# EAGLE board working (EAGLE 9.6.2), part 22 of 28 (continued)
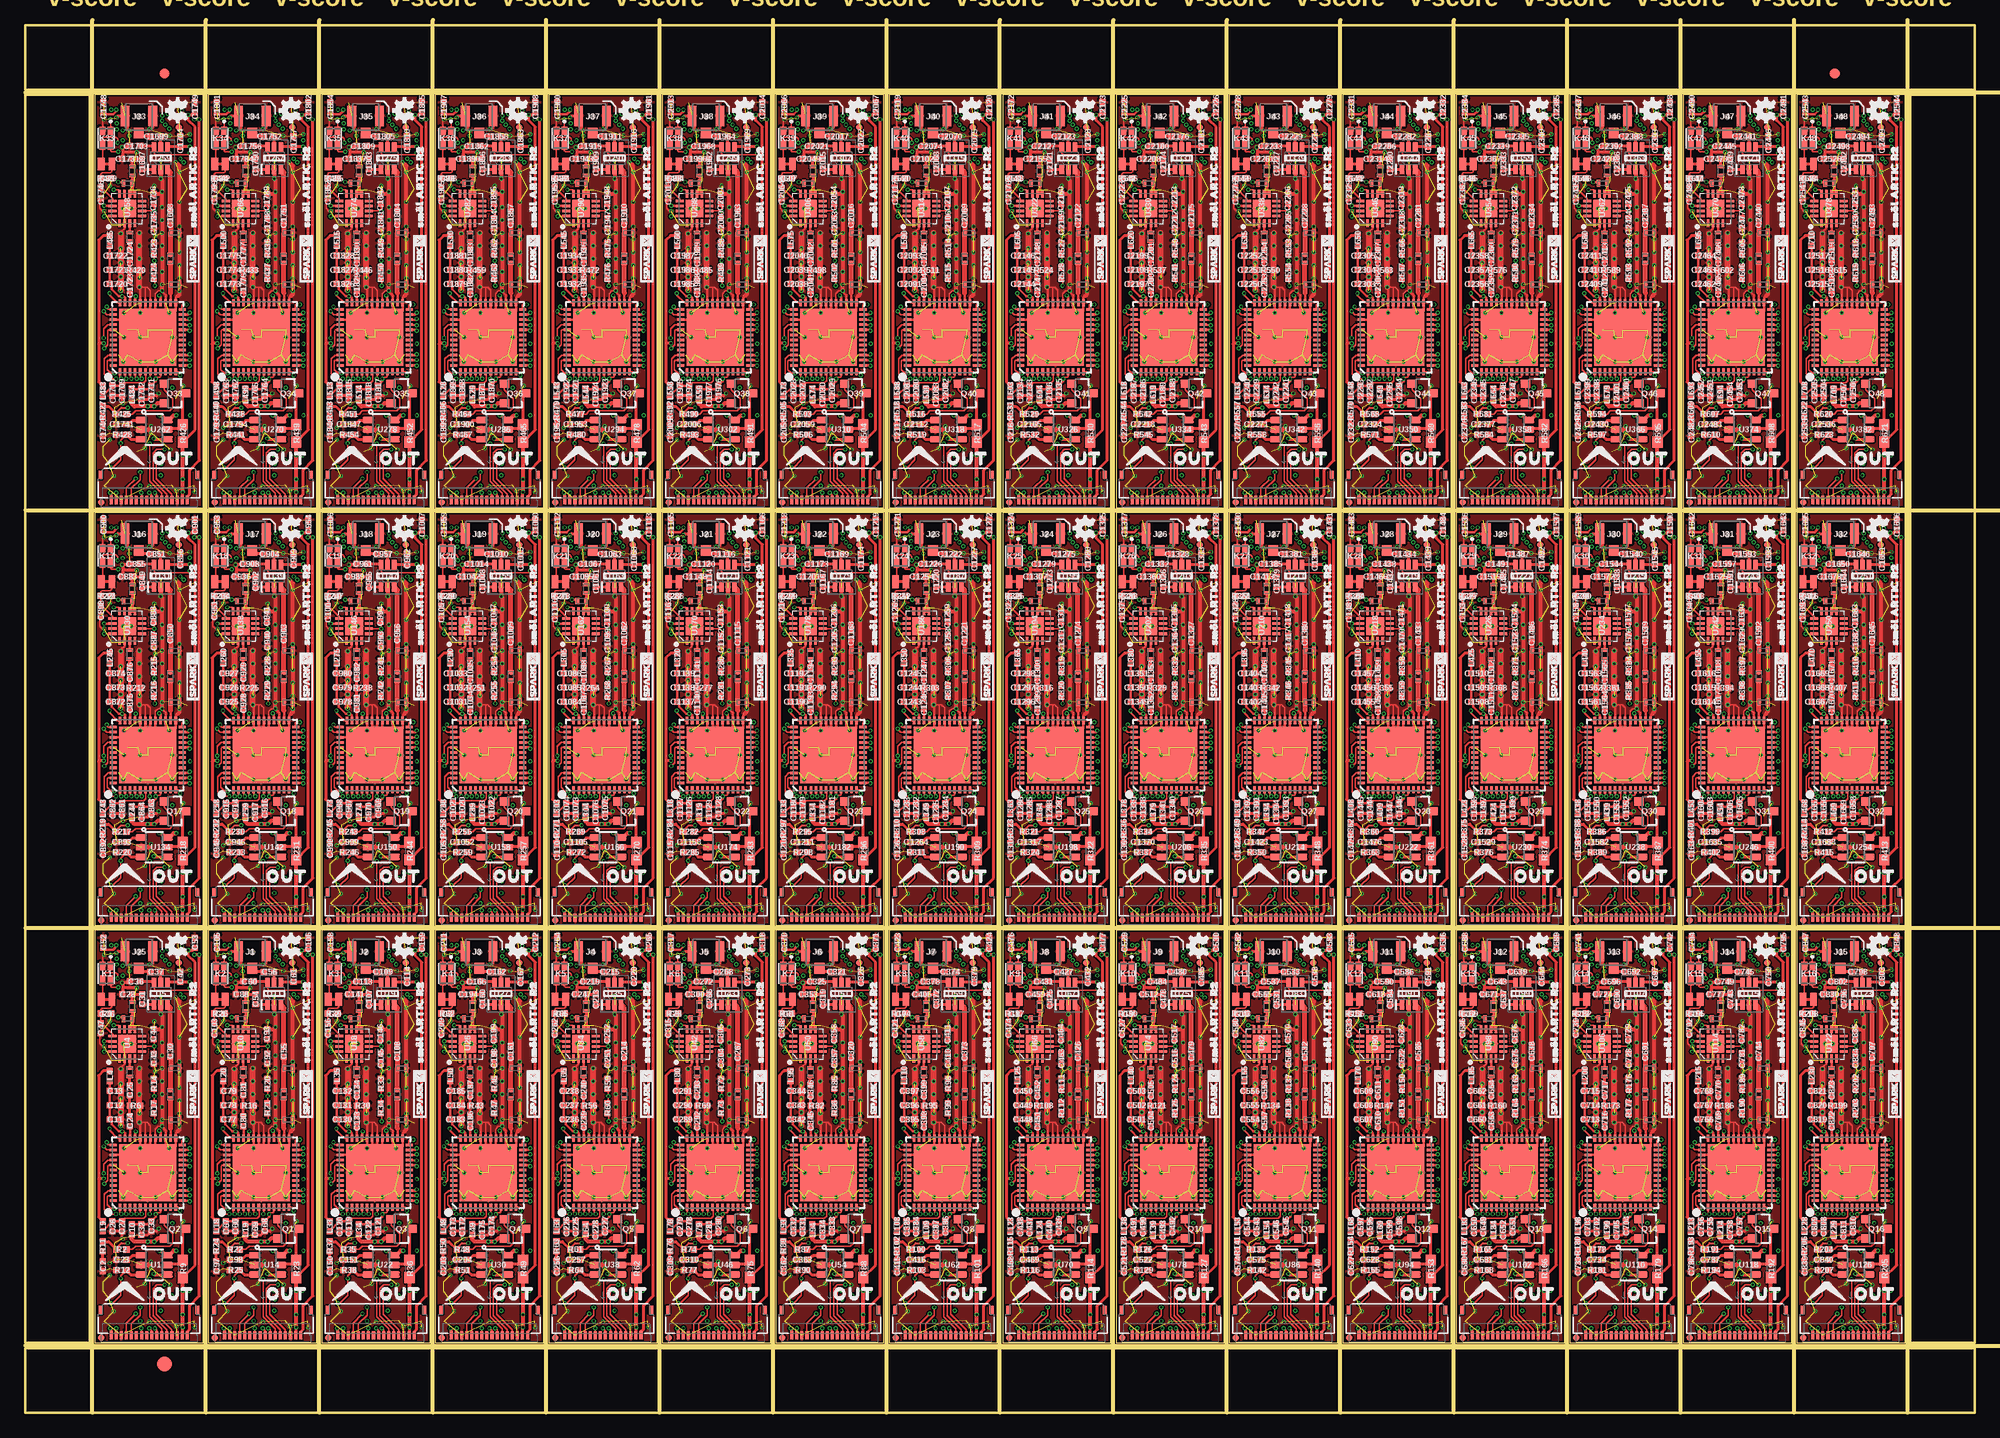
[diagram p0: board, top side]
## Tracks (layer width: path | path; a pad name or v marks a point on that pad's centre or on a via) (continued)
  Top 0.254: U257.24 15.46,109.06 15.56,109.16 v15.88,109.16
  Bottom 0.305: C1706.1 14.48,109.93 14.48,109.72 14.91,109.28 L481.1 v15.88,109.16 15.88,109.74 C1705.1
N$901  (via drill 0.2)
  Top 0.254: U257.23 15.94,108.17 15.95,108.17 16.04,108.17 v16.19,108.33
  Bottom 0.305: L482.1 15.49,108.14 15.68,108.33 v16.19,108.33
  Bottom 0.406: C1707.1 C1708.1 L482.1
N$902
  Top 0.152: U257.6 11.87,102.47 11.87,101.64 11.67,101.44 9.81,101.44 C1709.1 | L483.1 7.62,100.17 8.57,101.12 C1710.1
  Top 0.254: C1710.1 C1709.1
N$903  (via drill 0.2)
  Top 0.152: v12.83,101.85 12.83,101.92 12.88,101.97 13.21,101.97 13.31,102.06 U257.9
  Top 0.254: L484.1 C1712.1 12.06,100.83 C1711.1 12.83,101.59 v12.83,101.85
  Bottom 0.152: v12.83,101.85 12.07,101.09 R417.1 R418.2
N$904  (via drill 0.2)
  Top 0.254: U257.35 9.81,109.82 9.65,109.98 v9.52,109.98 9.21,109.98 8.52,110.67 8.52,111 C1720.1 C1721.1 C1722.1 L485.1 | U257.28 13.31,109.92 v13.19,110.05 | U257.33 10.81,109.93 v10.87,109.98
  Bottom 0.254: v13.19,110.05 13.13,109.98 v10.87,109.98 v9.52,109.98
N$905  (via drill 0.2)
  Top 0.152: U257.36 9.05,109.32 8.29,110.08 v8.29,110.27
  Bottom 0.254: L486.1 8.64,110.62 v8.29,110.27 8.29,110.26 8.82,109.73 C1714.1 8.83,109.6 9.28,109.16 C1713.1
N$906  (via drill 0.2)
  Top 0.127: U257.41 8.19,106.67 8.1,106.58 8.1,105.18 v7.76,104.84
  Bottom 0.152: v7.76,104.84 7.76,104.26 R419.1
N$907  (via drill 0.2)
  Top 0.152: U257.40 8.11,107.17 7.71,106.77 v7.71,105.85
  Bottom 0.152: v7.71,105.85 8.5,105.85 C1715.1 C1716.1 L487.1
N$908  (via drill 0.2)
  Top 0.152: v8,108.92 8,108.82 8.16,108.67 U257.37
  Bottom 0.152: v8,108.92 8.51,108.41 9.02,108.41 9.49,107.94 9.76,107.94 X33.4 11.09,107.6 C1718.1 C1717.1
N$909
  Bottom 0.152: C1719.1 7.77,106.78 8.59,107.6 X33.3
N$910  (via drill 0.2)
  Top 0.152: U257.38 8.01,108.17 7.71,108.47 v7.71,108.51
  Bottom 0.152: v7.71,108.51 7.68,108.48 C1719.2
N$911
  Top 0.254: U257.34 10.31,110.47 C1723.1
N$912
  Top 0.254: 10.29,112.51 R420.2 | C1724.1
  Top 0.305: C1723.2 10.29,112.51 | R420.2 C1724.1
N$913  (via drill 0.2)
  Top 0.254: v7.75,118.87 U258.14
  Bottom 0.254: L489.P$2 7.76,118.89 v7.75,118.87
N$914
  Bottom 0.254: C1729.1 C1728.1 R422.1 9.04,119.75 L489.P$1
N$915
  Top 0.305: C1724.2 L488.P$1
N$916
  Top 0.254: L488.P$2 U258.3
N$917
  Top 0.254: U258.10 10.54,120.07 U258.9
  Top 0.305: 10.54,121.08 L490.P$2 | 10.54,121.08 10.54,120.07 | L491.P$1 10.54,121.08
N$918
  Top 0.254: C1730.P$1 14.3,113.25 14.29,113.24 14.3,113.23 | 14.31,111.11 L492.P$2 arc-45 L492.P$2 | U257.26 14.31,110.29 14.3,110.3
  Top 0.508: 14.3,110.3 L492.P$2 | L492.P$2 14.3,113.23
N$919  (via drill 0.2)
  Top 0.254: U257.20 16.08,106.67 v16.19,106.55
  Bottom 0.152: C1737.1 15.49,104.7 16.5,104.7 16.64,104.84 16.64,106.11 v16.19,106.55
  Bottom 0.254: C1737.1 C1738.1 L494.1
N$920
  Top 0.305: U262.5 14.06,96.9 15.09,96.9 R426.1 15.49,100.12 Q33.3
N$921
  Top 0.152: R425.1 10.54,98.36 10.86,98.68 14.22,98.68 14.54,99 14.54,99.89 13.67,100.76 Q33.1
N$922  (via drill 0.2)
  Top 0.203: R425.2 8.96,98.5 9.46,99 v10.08,99
  Top 0.305: v12.64,95.95 12.7,95.89 U262.4 | R427.1 7.68,99.12 8.2,99.12 R425.2
  Bottom 0.203: v12.64,95.95 12.32,95.95 11.56,96.71 11.56,98.62 11.18,99 v10.08,99
N$923
  Top 0.305: C1740.1 R427.2
  Top 0.406: R427.2
N$924
  Top 0.305: U262.1 11.34,97.73 10.53,97.73 10.15,97.34 C1741.1
N$925
  Top 0.305: C1750.1 23.83,122.5 U267.1
N$926
  Top 0.508: C1751.1 25.46,122.17 U267.3
N$927
  Top 0.305: U267.5 24.51,125.72 C1752.2
N$928  (via drill 0.2)
  Top 0.254: U265.24 26.64,109.06 26.73,109.16 v27.05,109.16
  Bottom 0.305: C1759.1 25.65,109.93 25.65,109.72 26.09,109.28 L496.1 v27.05,109.16 27.05,109.74 C1758.1
N$929  (via drill 0.2)
  Top 0.254: U265.23 27.12,108.17 27.21,108.17 v27.37,108.33
  Bottom 0.305: L497.1 26.67,108.14 26.86,108.33 v27.37,108.33
  Bottom 0.406: C1760.1 C1761.1 L497.1
N$930
  Top 0.152: U265.6 23.04,102.47 23.04,101.64 22.84,101.44 20.99,101.44 C1762.1 | L498.1 18.8,100.17 19.75,101.12 C1763.1
  Top 0.254: C1763.1 C1762.1
N$931  (via drill 0.2)
  Top 0.152: v24,101.85 24,101.92 24.05,101.97 24.39,101.97 24.49,102.06 U265.9
  Top 0.254: L499.1 C1765.1 23.24,100.83 C1764.1 24,101.59 v24,101.85
  Bottom 0.152: v24,101.85 23.24,101.09 R430.1 R431.2
N$932  (via drill 0.2)
  Top 0.254: U265.35 20.99,109.82 20.83,109.98 v20.7,109.98 20.38,109.98 19.69,110.67 19.69,111 C1773.1 C1774.1 C1775.1 L500.1 | U265.28 24.49,109.92 v24.37,110.05 | U265.33 21.99,109.93 v22.05,109.98
  Bottom 0.254: v24.37,110.05 24.3,109.98 v22.05,109.98 v20.7,109.98
N$933  (via drill 0.2)
  Top 0.152: U265.36 20.23,109.32 19.47,110.08 v19.47,110.27
  Bottom 0.254: L501.1 19.81,110.62 v19.47,110.27 19.47,110.26 19.99,109.73 C1767.1 20.01,109.6 20.45,109.16 C1766.1
N$934  (via drill 0.2)
  Top 0.127: U265.41 19.37,106.67 19.28,106.58 19.28,105.18 v18.94,104.84
  Bottom 0.152: v18.94,104.84 18.94,104.26 R432.1
N$935  (via drill 0.2)
  Top 0.152: U265.40 19.28,107.17 18.89,106.77 v18.89,105.85
  Bottom 0.152: v18.89,105.85 19.68,105.85 C1768.1 C1769.1 L502.1
N$936  (via drill 0.2)
  Top 0.152: v19.18,108.92 19.18,108.82 19.33,108.67 U265.37
  Bottom 0.152: v19.18,108.92 19.68,108.41 20.19,108.41 20.67,107.94 20.93,107.94 X34.4 22.26,107.6 C1771.1 C1770.1
N$937
  Bottom 0.152: C1772.1 18.95,106.78 19.77,107.6 X34.3
N$938  (via drill 0.2)
  Top 0.152: U265.38 19.18,108.17 18.88,108.47 v18.88,108.51
  Bottom 0.152: v18.88,108.51 18.86,108.48 C1772.2
N$939
  Top 0.254: U265.34 21.49,110.47 C1776.1
N$940
  Top 0.254: R433.2 | C1777.1
  Top 0.305: C1776.2 R433.2 | R433.2 C1777.1
N$941  (via drill 0.2)
  Top 0.254: v18.92,118.87 U266.14
  Bottom 0.254: L504.P$2 18.94,118.89 v18.92,118.87
N$942
  Bottom 0.254: C1782.1 C1781.1 R435.1 20.21,119.75 L504.P$1
N$943
  Top 0.305: C1777.2 L503.P$1
N$944
  Top 0.254: L503.P$2 U266.3
N$945
  Top 0.254: U266.10 21.72,120.07 U266.9
  Top 0.305: 21.72,121.08 L505.P$2 | 21.72,121.08 21.72,120.07 | L506.P$1 21.72,121.08
N$946
  Top 0.254: C1783.P$1 25.48,113.25 25.46,113.24 25.47,113.23 25.48,113.23 | 25.49,111.11 L507.P$2 arc-45 L507.P$2 | U265.26 25.49,110.29 25.48,110.3
  Top 0.508: 25.48,110.3 L507.P$2 | L507.P$2 25.47,113.23
N$947  (via drill 0.2)
  Top 0.254: U265.20 27.25,106.67 v27.37,106.55
  Bottom 0.152: C1790.1 26.67,104.7 27.68,104.7 27.81,104.84 27.81,106.11 v27.37,106.55
  Bottom 0.254: C1790.1 C1791.1 L509.1
N$948
  Top 0.305: U270.5 25.24,96.9 26.27,96.9 R439.1 26.67,100.12 Q34.3
N$949
  Top 0.152: R438.1 21.72,98.36 22.04,98.68 25.4,98.68 25.72,99 25.72,99.89 24.84,100.76 Q34.1
N$950  (via drill 0.2)
  Top 0.203: R438.2 20.14,98.5 20.64,99 v21.26,99
  Top 0.305: v23.81,95.95 23.87,95.89 U270.4 | R440.1 18.85,99.12 19.38,99.12 R438.2
  Bottom 0.203: v23.81,95.95 23.5,95.95 22.73,96.71 22.73,98.62 22.35,99 v21.26,99
N$951
  Top 0.305: C1793.1 R440.2
  Top 0.406: R440.2
N$952
  Top 0.305: U270.1 22.52,97.73 21.71,97.73 21.33,97.34 C1794.1
N$953
  Top 0.305: C1803.1 35.01,122.5 U275.1
N$954
  Top 0.508: C1804.1 36.64,122.17 U275.3
N$955
  Top 0.305: U275.5 C1805.2
N$956  (via drill 0.2)
  Top 0.254: U273.24 37.82,109.06 37.91,109.16 v38.23,109.16
  Bottom 0.305: C1812.1 36.83,109.93 36.83,109.72 37.27,109.28 L511.1 v38.23,109.16 38.23,109.74 C1811.1
N$957  (via drill 0.2)
  Top 0.254: U273.23 38.29,108.17 38.3,108.17 38.39,108.17 v38.54,108.33
  Bottom 0.305: L512.1 37.85,108.14 38.04,108.33 v38.54,108.33
  Bottom 0.406: C1813.1 C1814.1 L512.1
N$958
  Top 0.152: U273.6 34.22,102.47 34.22,101.64 34.02,101.44 32.17,101.44 C1815.1 | L513.1 29.97,100.17 30.93,101.12 C1816.1
  Top 0.254: C1816.1 C1815.1
N$959  (via drill 0.2)
  Top 0.152: v35.18,101.85 35.18,101.92 35.23,101.97 35.57,101.97 35.67,102.06 U273.9
  Top 0.254: L514.1 C1818.1 34.42,100.83 C1817.1 35.18,101.59 v35.18,101.85
  Bottom 0.152: v35.18,101.85 34.42,101.09 R443.1 R444.2
N$960  (via drill 0.2)
  Top 0.254: U273.35 32.17,109.82 32,109.98 v31.88,109.98 31.56,109.98 30.87,110.67 30.87,111 C1826.1 C1827.1 C1828.1 L515.1 | U273.28 35.67,109.92 v35.54,110.05 | U273.33 33.17,109.93 v33.22,109.98
  Bottom 0.254: v35.54,110.05 35.48,109.98 v33.22,109.98 v31.88,109.98
N$961  (via drill 0.2)
  Top 0.152: U273.36 31.41,109.32 30.64,110.08 v30.64,110.27
  Bottom 0.254: L516.1 30.99,110.62 v30.64,110.27 30.64,110.26 31.17,109.73 C1820.1 31.19,109.6 31.63,109.16 C1819.1
N$962  (via drill 0.2)
  Top 0.127: U273.41 30.54,106.67 30.46,106.58 30.46,105.18 v30.11,104.84
  Bottom 0.152: v30.11,104.84 30.11,104.26 R445.1
N$963  (via drill 0.2)
  Top 0.152: U273.40 30.46,107.17 30.06,106.77 v30.06,105.85
  Bottom 0.152: v30.06,105.85 30.85,105.85 C1821.1 C1822.1 L517.1
N$964  (via drill 0.2)
  Top 0.152: v30.35,108.92 30.35,108.82 30.51,108.67 U273.37
  Bottom 0.152: v30.35,108.92 30.86,108.41 31.37,108.41 31.84,107.94 32.11,107.94 X35.4 33.44,107.6 C1824.1 C1823.1
N$965
  Bottom 0.152: C1825.1 30.12,106.78 30.95,107.6 X35.3
N$966  (via drill 0.2)
  Top 0.152: U273.38 30.36,108.17 30.06,108.47 v30.06,108.51
  Bottom 0.152: v30.06,108.51 30.04,108.48 C1825.2
N$967
  Top 0.254: U273.34 32.67,110.47 C1829.1
N$968
  Top 0.254: R446.2 | C1830.1
  Top 0.305: C1829.2 R446.2 | R446.2 C1830.1
N$969  (via drill 0.2)
  Top 0.254: v30.1,118.87 U274.14
  Bottom 0.254: L519.P$2 30.11,118.89 v30.1,118.87
N$970
  Bottom 0.254: C1835.1 C1834.1 R448.1 31.39,119.75 L519.P$1
N$971
  Top 0.305: C1830.2 L518.P$1
N$972
  Top 0.254: L518.P$2 U274.3
N$973
  Top 0.254: U274.10 32.89,120.07 U274.9
  Top 0.305: 32.89,121.08 L520.P$2 | 32.89,121.08 32.89,120.07 | L521.P$1 32.89,121.08
N$974
  Top 0.254: C1836.P$1 36.65,113.25 36.64,113.24 36.65,113.23 | 36.67,111.11 L522.P$2 arc-45 L522.P$2 | U273.26 36.67,110.29 36.65,110.3
  Top 0.508: 36.65,110.3 L522.P$2 | L522.P$2 36.65,113.23
N$975  (via drill 0.2)
  Top 0.254: U273.20 38.43,106.67 v38.54,106.55
  Bottom 0.152: C1843.1 37.85,104.7 38.85,104.7 38.99,104.84 38.99,106.11 v38.54,106.55
  Bottom 0.254: C1843.1 C1844.1 L524.1
N$976
  Top 0.305: U278.5 36.42,96.9 37.44,96.9 R452.1 37.85,100.12 Q35.3
N$977
  Top 0.152: R451.1 32.89,98.36 33.21,98.68 36.58,98.68 36.89,99 36.89,99.89 36.02,100.76 Q35.1
N$978  (via drill 0.2)
  Top 0.203: R451.2 31.31,98.5 31.81,99 v32.44,99
  Top 0.305: v34.99,95.95 35.05,95.89 U278.4 | R453.1 30.03,99.12 30.55,99.12 R451.2
  Bottom 0.203: v34.99,95.95 34.67,95.95 33.91,96.71 33.91,98.62 33.53,99 v32.44,99
N$979
  Top 0.305: C1846.1 R453.2
  Top 0.406: R453.2
N$980
  Top 0.305: U278.1 33.69,97.73 32.88,97.73 32.5,97.34 C1847.1
N$981
  Top 0.305: C1856.1 46.18,122.5 U283.1
N$982
  Top 0.508: C1857.1 47.82,122.17 U283.3
N$983
  Top 0.305: U283.5 C1858.2
N$984  (via drill 0.2)
  Top 0.254: U281.24 48.99,109.06 49.08,109.16 v49.4,109.16
  Bottom 0.305: C1865.1 48.01,109.93 48.01,109.72 48.44,109.28 L526.1 v49.4,109.16 49.4,109.74 C1864.1
N$985  (via drill 0.2)
  Top 0.254: U281.23 49.47,108.17 49.56,108.17 v49.72,108.33
  Bottom 0.305: L527.1 49.02,108.14 49.21,108.33 v49.72,108.33
  Bottom 0.406: C1866.1 C1867.1 L527.1
N$986
  Top 0.152: U281.6 45.39,102.47 45.39,101.64 45.19,101.44 43.34,101.44 C1868.1 | L528.1 41.15,100.17 42.1,101.12 C1869.1
  Top 0.254: C1869.1 C1868.1
N$987  (via drill 0.2)
  Top 0.152: v46.35,101.85 46.35,101.92 46.4,101.97 46.74,101.97 46.84,102.06 U281.9
  Top 0.254: L529.1 C1871.1 45.59,100.83 C1870.1 46.35,101.59 v46.35,101.85
  Bottom 0.152: v46.35,101.85 45.59,101.09 R456.1 R457.2
N$988  (via drill 0.2)
  Top 0.254: U281.35 43.34,109.82 43.18,109.98 v43.05,109.98 42.73,109.98 42.04,110.67 42.04,111 C1879.1 C1880.1 C1881.1 L530.1 | U281.28 46.84,109.92 v46.72,110.05 | U281.33 44.34,109.93 v44.4,109.98
  Bottom 0.254: v46.72,110.05 46.65,109.98 v44.4,109.98 v43.05,109.98
N$989  (via drill 0.2)
  Top 0.152: U281.36 42.58,109.32 41.82,110.08 v41.82,110.27
  Bottom 0.254: L531.1 42.16,110.62 v41.82,110.27 41.82,110.26 42.35,109.73 C1873.1 42.36,109.6 42.81,109.16 C1872.1
N$990  (via drill 0.2)
  Top 0.127: U281.41 41.72,106.67 41.63,106.58 41.63,105.18 v41.29,104.84
  Bottom 0.152: v41.29,104.84 41.29,104.26 R458.1
N$991  (via drill 0.2)
  Top 0.152: U281.40 41.64,107.17 41.24,106.77 v41.24,105.85
  Bottom 0.152: v41.24,105.85 42.03,105.85 C1874.1 C1875.1 L532.1
N$992  (via drill 0.2)
  Top 0.152: v41.53,108.92 41.53,108.82 41.68,108.67 U281.37
  Bottom 0.152: v41.53,108.92 42.04,108.41 42.54,108.41 43.02,107.94 43.29,107.94 X36.4 44.62,107.6 C1877.1 C1876.1
N$993
  Bottom 0.152: C1878.1 41.3,106.78 42.12,107.6 X36.3
N$994  (via drill 0.2)
  Top 0.152: U281.38 41.54,108.17 41.24,108.47 v41.24,108.51
  Bottom 0.152: v41.24,108.51 41.21,108.48 C1878.2
N$995
  Top 0.254: U281.34 43.84,110.47 C1882.1
N$996
  Top 0.254: 43.81,112.51 R459.2 | C1883.1
  Top 0.305: C1882.2 43.81,112.51 | R459.2 C1883.1
N$997  (via drill 0.2)
  Top 0.254: v41.27,118.87 U282.14
  Bottom 0.254: L534.P$2 41.29,118.89 v41.27,118.87
N$998
  Bottom 0.254: C1888.1 C1887.1 R461.1 42.57,119.75 L534.P$1
N$999
  Top 0.305: C1883.2 L533.P$1
N$1000
  Top 0.254: L533.P$2 U282.3
N$1001
  Top 0.254: U282.10 44.07,120.07 U282.9
  Top 0.305: 44.07,121.08 L535.P$2 | 44.07,121.08 44.07,120.07 | L536.P$1 44.07,121.08
N$1002
  Top 0.254: C1889.P$1 47.83,113.25 47.82,113.24 47.82,113.23 47.83,113.23 | 47.84,111.11 L537.P$2 arc-45 L537.P$2 | U281.26 47.84,110.29 47.83,110.3
  Top 0.508: 47.83,110.3 L537.P$2 | L537.P$2 47.82,113.23
N$1003  (via drill 0.2)
  Top 0.254: U281.20 49.61,106.67 v49.72,106.55
  Bottom 0.152: C1896.1 49.02,104.7 50.03,104.7 50.16,104.84 50.16,106.11 v49.72,106.55
  Bottom 0.254: C1896.1 C1897.1 L539.1
N$1004
  Top 0.305: U286.5 47.59,96.9 48.62,96.9 R465.1 49.02,100.12 Q36.3
N$1005
  Top 0.152: R464.1 44.07,98.36 44.39,98.68 47.75,98.68 48.07,99 48.07,99.89 47.2,100.76 Q36.1
N$1006  (via drill 0.2)
  Top 0.203: R464.2 42.49,98.5 42.99,99 v43.61,99
  Top 0.305: v46.16,95.95 46.22,95.89 U286.4 | R466.1 41.2,99.12 41.73,99.12 R464.2
  Bottom 0.203: v46.16,95.95 45.85,95.95 45.08,96.71 45.08,98.62 44.7,99 v43.61,99
N$1007
  Top 0.305: C1899.1 R466.2
  Top 0.406: R466.2
N$1008
  Top 0.305: U286.1 44.87,97.73 44.06,97.73 43.68,97.34 C1900.1
N$1009
  Top 0.305: C1909.1 57.36,122.5 U291.1
N$1010
  Top 0.508: C1910.1 58.99,122.17 U291.3
N$1011
  Top 0.305: U291.5 C1911.2
N$1012  (via drill 0.2)
  Top 0.254: U289.24 60.17,109.06 60.26,109.16 v60.58,109.16
  Bottom 0.305: C1918.1 59.18,109.93 59.18,109.72 59.62,109.28 L541.1 v60.58,109.16 60.58,109.74 C1917.1
N$1013  (via drill 0.2)
  Top 0.254: U289.23 60.64,108.17 60.65,108.17 60.74,108.17 v60.9,108.33
  Bottom 0.305: L542.1 60.2,108.14 60.39,108.33 v60.9,108.33
  Bottom 0.406: C1919.1 C1920.1 L542.1
N$1014
  Top 0.152: U289.6 56.57,102.47 56.57,101.64 56.37,101.44 54.52,101.44 C1921.1 | L543.1 52.32,100.17 53.28,101.12 C1922.1
  Top 0.254: C1922.1 C1921.1
N$1015  (via drill 0.2)
  Top 0.152: v57.53,101.85 57.53,101.92 57.58,101.97 57.92,101.97 58.02,102.06 U289.9
  Top 0.254: L544.1 C1924.1 56.77,100.83 C1923.1 57.53,101.59 v57.53,101.85
  Bottom 0.152: v57.53,101.85 56.77,101.09 R469.1 R470.2
N$1016  (via drill 0.2)
  Top 0.254: U289.35 54.52,109.82 54.36,109.98 v54.23,109.98 53.91,109.98 53.22,110.67 53.22,111 C1932.1 C1933.1 C1934.1 53.03,114.94 L545.1 | U289.28 58.02,109.92 v57.89,110.05 | U289.33 55.52,109.93 v55.57,109.98
  Bottom 0.254: v57.89,110.05 57.83,109.98 v55.57,109.98 v54.23,109.98
N$1017  (via drill 0.2)
  Top 0.152: U289.36 53.76,109.32 52.99,110.08 v52.99,110.27
  Bottom 0.254: L546.1 53.34,110.62 v52.99,110.27 52.99,110.26 53.52,109.73 C1926.1 53.54,109.6 53.98,109.16 C1925.1
N$1018  (via drill 0.2)
  Top 0.127: U289.41 52.9,106.67 52.81,106.58 52.81,105.18 v52.46,104.84
  Bottom 0.152: v52.46,104.84 52.46,104.26 R471.1
N$1019  (via drill 0.2)
  Top 0.152: U289.40 52.81,107.17 52.42,106.77 v52.42,105.85
  Bottom 0.152: v52.42,105.85 53.2,105.85 C1927.1 C1928.1 L547.1
N$1020  (via drill 0.2)
  Top 0.152: v52.7,108.92 52.7,108.82 52.86,108.67 U289.37
  Bottom 0.152: v52.7,108.92 53.21,108.41 53.72,108.41 54.19,107.94 54.46,107.94 X37.4 55.79,107.6 C1930.1 C1929.1
N$1021
  Bottom 0.152: C1931.1 52.48,106.78 53.3,107.6 X37.3
N$1022  (via drill 0.2)
  Top 0.152: U289.38 52.71,108.17 52.41,108.47 v52.41,108.51
  Bottom 0.152: v52.41,108.51 52.39,108.48 C1931.2
N$1023
  Top 0.254: U289.34 55.02,110.47 C1935.1
N$1024
  Top 0.254: R472.2 | C1936.1
  Top 0.305: C1935.2 R472.2 | R472.2 C1936.1
N$1025  (via drill 0.2)
  Top 0.254: v52.45,118.87 U290.14
  Bottom 0.254: L549.P$2 52.46,118.89 v52.45,118.87
N$1026
  Bottom 0.254: C1941.1 C1940.1 R474.1 53.74,119.75 L549.P$1
N$1027
  Top 0.305: C1936.2 L548.P$1
N$1028
  Top 0.254: L548.P$2 U290.3
N$1029
  Top 0.254: U290.10 55.24,120.07 U290.9
  Top 0.305: 55.24,121.08 L550.P$2 | 55.24,121.08 55.24,120.07 | L551.P$1 55.24,121.08
N$1030
  Top 0.254: C1942.P$1 59,113.25 58.99,113.24 59,113.23 | 59.02,111.11 L552.P$2 arc-45 L552.P$2 | U289.26 59.02,110.29 59,110.3
  Top 0.508: 59,110.3 L552.P$2 | L552.P$2 59,113.23
N$1031  (via drill 0.2)
  Top 0.254: U289.20 60.78,106.67 v60.9,106.55
  Bottom 0.152: C1949.1 60.2,104.7 61.21,104.7 61.34,104.84 61.34,106.11 v60.9,106.55
  Bottom 0.254: C1949.1 C1950.1 L554.1
N$1032
  Top 0.305: U294.5 58.77,96.9 59.79,96.9 R478.1 60.2,100.12 Q37.3
N$1033
  Top 0.152: R477.1 55.24,98.36 55.56,98.68 58.93,98.68 59.25,99 59.25,99.89 58.37,100.76 Q37.1
N$1034  (via drill 0.2)
  Top 0.203: R477.2 53.66,98.5 54.16,99 v54.79,99
  Top 0.305: v57.34,95.95 57.4,95.89 U294.4 | R479.1 52.38,99.12 52.9,99.12 R477.2
  Bottom 0.203: v57.34,95.95 57.02,95.95 56.26,96.71 56.26,98.62 55.88,99 v54.79,99
N$1035
  Top 0.305: C1952.1 R479.2
  Top 0.406: 52.32,98.17 R479.2
N$1036
  Top 0.305: U294.1 56.04,97.73 55.24,97.73 54.86,97.34 C1953.1
N$1037
  Top 0.305: C1962.1 68.54,122.5 U299.1
N$1038
  Top 0.508: C1963.1 70.17,122.17 U299.3
N$1039
  Top 0.305: U299.5 C1964.2
N$1040  (via drill 0.2)
  Top 0.254: U297.24 71.34,109.06 71.44,109.16 v71.76,109.16
  Bottom 0.305: C1971.1 70.36,109.93 70.36,109.72 70.8,109.28 L556.1 v71.76,109.16 71.76,109.74 C1970.1
N$1041  (via drill 0.2)
  Top 0.254: U297.23 71.82,108.17 71.83,108.17 71.92,108.17 v72.07,108.33
  Bottom 0.305: L557.1 71.37,108.14 71.56,108.33 v72.07,108.33
  Bottom 0.406: C1972.1 C1973.1 L557.1
N$1042
  Top 0.152: U297.6 67.75,102.47 67.75,101.64 67.55,101.44 65.69,101.44 C1974.1 | L558.1 63.5,100.17 64.45,101.12 C1975.1
  Top 0.254: C1975.1 C1974.1
N$1043  (via drill 0.2)
  Top 0.152: v68.71,101.85 68.71,101.92 68.76,101.97 69.09,101.97 69.2,102.06 U297.9
  Top 0.254: L559.1 C1977.1 67.95,100.83 C1976.1 68.71,101.59 v68.71,101.85
  Bottom 0.152: v68.71,101.85 67.95,101.09 R482.1 R483.2
N$1044  (via drill 0.2)
  Top 0.254: U297.35 65.7,109.82 65.53,109.98 v65.41,109.98 65.09,109.98 64.4,110.67 64.4,111 C1985.1 C1986.1 C1987.1 L560.1 | U297.28 69.2,109.92 v69.07,110.05 | U297.33 66.7,109.93 v66.75,109.98
  Bottom 0.254: v69.07,110.05 69.01,109.98 v66.75,109.98 v65.41,109.98
N$1045  (via drill 0.2)
  Top 0.152: U297.36 64.94,109.32 64.17,110.08 v64.17,110.27
  Bottom 0.254: L561.1 64.52,110.62 v64.17,110.27 64.17,110.26 64.7,109.73 C1979.1 64.71,109.6 65.16,109.16 C1978.1
N$1046  (via drill 0.2)
  Top 0.127: U297.41 64.07,106.67 63.98,106.58 63.98,105.18 v63.64,104.84
  Bottom 0.152: v63.64,104.84 63.64,104.26 R484.1
N$1047  (via drill 0.2)
  Top 0.152: U297.40 63.99,107.17 63.59,106.77 v63.59,105.85
  Bottom 0.152: v63.59,105.85 64.38,105.85 C1980.1 C1981.1 L562.1
N$1048  (via drill 0.2)
  Top 0.152: v63.88,108.92 63.88,108.82 64.04,108.67 U297.37
  Bottom 0.152: v63.88,108.92 64.39,108.41 64.89,108.41 65.37,107.94 65.64,107.94 X38.4 66.97,107.6 C1983.1 C1982.1
N$1049
  Bottom 0.152: C1984.1 63.65,106.78 64.47,107.6 X38.3
N$1050  (via drill 0.2)
  Top 0.152: U297.38 63.89,108.17 63.59,108.47 v63.59,108.51
  Bottom 0.152: v63.59,108.51 63.56,108.48 C1984.2
N$1051
  Top 0.254: U297.34 66.2,110.47 C1988.1
N$1052
  Top 0.254: 66.17,112.51 R485.2 | C1989.1
  Top 0.305: C1988.2 66.17,112.51 | R485.2 C1989.1
N$1053  (via drill 0.2)
  Top 0.254: v63.63,118.87 U298.14
  Bottom 0.254: L564.P$2 63.64,118.89 v63.63,118.87
N$1054
  Bottom 0.254: C1994.1 C1993.1 R487.1 64.92,119.75 L564.P$1
N$1055
  Top 0.305: C1989.2 L563.P$1
N$1056
  Top 0.254: L563.P$2 U298.3
N$1057
  Top 0.254: U298.10 66.42,120.07 U298.9
  Top 0.305: 66.42,121.08 L565.P$2 | 66.42,121.08 66.42,120.07 | L566.P$1 66.42,121.08
N$1058
  Top 0.254: C1995.P$1 70.18,113.25 70.17,113.24 70.18,113.23 | 70.2,111.11 L567.P$2 arc-45 L567.P$2 | U297.26 70.2,110.29 70.18,110.3
  Top 0.508: 70.18,110.3 L567.P$2 | L567.P$2 70.18,113.23
N$1059  (via drill 0.2)
  Top 0.254: U297.20 71.96,106.67 v72.07,106.55
  Bottom 0.152: C2002.1 71.37,104.7 72.38,104.7 72.52,104.84 72.52,106.11 v72.07,106.55
  Bottom 0.254: C2002.1 C2003.1 L569.1
N$1060
  Top 0.305: U302.5 69.94,96.9 70.97,96.9 R491.1 71.37,100.12 Q38.3
N$1061
  Top 0.152: R490.1 66.42,98.36 66.74,98.68 70.1,98.68 70.42,99 70.42,99.89 69.55,100.76 Q38.1
N$1062  (via drill 0.2)
  Top 0.203: R490.2 64.84,98.5 65.34,99 v65.97,99
  Top 0.305: v68.52,95.95 68.58,95.89 U302.4 | R492.1 63.55,99.12 64.08,99.12 R490.2
  Bottom 0.203: v68.52,95.95 68.2,95.95 67.44,96.71 67.44,98.62 67.06,99 v65.97,99
N$1063
  Top 0.305: C2005.1 R492.2
  Top 0.406: R492.2
N$1064
  Top 0.305: U302.1 67.22,97.73 66.41,97.73 66.03,97.34 C2006.1
N$1065
  Top 0.305: C2015.1 79.71,122.5 U307.1
N$1066
  Top 0.508: C2016.1 81.34,122.17 U307.3
N$1067
  Top 0.305: U307.5 C2017.2
N$1068  (via drill 0.2)
  Top 0.254: U305.24 82.52,109.06 82.61,109.16 v82.93,109.16
  Bottom 0.305: C2024.1 81.53,109.93 81.53,109.72 81.97,109.28 L571.1 v82.93,109.16 82.93,109.74 C2023.1
N$1069  (via drill 0.2)
  Top 0.254: U305.23 83,108.17 83.09,108.17 v83.25,108.33
  Bottom 0.305: L572.1 82.55,108.14 82.74,108.33 v83.25,108.33
  Bottom 0.406: C2025.1 C2026.1 L572.1
N$1070
  Top 0.152: U305.6 78.92,102.47 78.92,101.64 78.72,101.44 76.87,101.44 C2027.1 | L573.1 74.68,100.17 75.63,101.12 C2028.1
  Top 0.254: C2028.1 C2027.1
N$1071  (via drill 0.2)
  Top 0.152: v79.88,101.85 79.88,101.92 79.93,101.97 80.27,101.97 80.37,102.06 U305.9
  Top 0.254: L574.1 C2030.1 79.12,100.83 C2029.1 79.88,101.59 v79.88,101.85
  Bottom 0.152: v79.88,101.85 79.12,101.09 R495.1 R496.2
N$1072  (via drill 0.2)
  Top 0.254: U305.35 76.87,109.82 76.71,109.98 v76.58,109.98 76.26,109.98 75.57,110.67 75.57,111 C2038.1 C2039.1 C2040.1 L575.1 | U305.28 80.37,109.92 v80.25,110.05 | U305.33 77.87,109.93 v77.93,109.98
  Bottom 0.254: v80.25,110.05 80.18,109.98 v77.93,109.98 v76.58,109.98
N$1073  (via drill 0.2)
  Top 0.152: U305.36 76.11,109.32 75.35,110.08 v75.35,110.27
  Bottom 0.254: L576.1 75.69,110.62 v75.35,110.27 75.35,110.26 75.87,109.73 C2032.1 75.89,109.6 76.34,109.16 C2031.1
N$1074  (via drill 0.2)
  Top 0.127: U305.41 75.25,106.67 75.16,106.58 75.16,105.18 v74.82,104.84
  Bottom 0.152: v74.82,104.84 74.82,104.26 R497.1
N$1075  (via drill 0.2)
  Top 0.152: U305.40 75.16,107.17 74.77,106.77 v74.77,105.85
  Bottom 0.152: v74.77,105.85 75.56,105.85 C2033.1 C2034.1 L577.1
N$1076  (via drill 0.2)
  Top 0.152: v75.06,108.92 75.06,108.82 75.21,108.67 U305.37
  Bottom 0.152: v75.06,108.92 75.56,108.41 76.07,108.41 76.55,107.94 76.81,107.94 X39.4 78.14,107.6 C2036.1 C2035.1
N$1077
  Bottom 0.152: C2037.1 74.83,106.78 75.65,107.6 X39.3
N$1078  (via drill 0.2)
  Top 0.152: U305.38 75.06,108.17 74.77,108.47 v74.77,108.51
  Bottom 0.152: v74.77,108.51 74.74,108.48 C2037.2
N$1079
  Top 0.254: U305.34 77.37,110.47 C2041.1
N$1080
  Top 0.254: R498.2 | 77.35,113.54 C2042.1
  Top 0.305: C2041.2 R498.2 | R498.2 77.35,113.54
N$1081  (via drill 0.2)
  Top 0.254: v74.8,118.87 U306.14
  Bottom 0.254: L579.P$2 74.82,118.89 v74.8,118.87
N$1082
  Bottom 0.254: C2047.1 C2046.1 R500.1 76.09,119.75 L579.P$1
N$1083
  Top 0.305: C2042.2 L578.P$1
N$1084
  Top 0.254: L578.P$2 U306.3
N$1085
  Top 0.254: U306.10 77.6,120.07 U306.9
  Top 0.305: 77.6,121.08 L580.P$2 | 77.6,121.08 77.6,120.07 | L581.P$1 77.6,121.08
N$1086
  Top 0.254: C2048.P$1 81.36,113.25 81.34,113.24 81.35,113.23 81.36,113.23 | 81.37,111.11 L582.P$2 arc-45 L582.P$2 | U305.26 81.37,110.29 81.36,110.3
  Top 0.508: 81.36,110.3 L582.P$2 | L582.P$2 81.35,113.23
N$1087  (via drill 0.2)
  Top 0.254: U305.20 83.13,106.67 v83.25,106.55
  Bottom 0.152: C2055.1 82.55,104.7 83.56,104.7 83.69,104.84 83.69,106.11 v83.25,106.55
  Bottom 0.254: C2055.1 C2056.1 L584.1
N$1088
  Top 0.305: U310.5 81.12,96.9 82.15,96.9 R504.1 82.55,100.12 Q39.3
N$1089
  Top 0.152: R503.1 77.6,98.36 77.91,98.68 81.28,98.68 81.6,99 81.6,99.89 80.73,100.76 Q39.1
N$1090  (via drill 0.2)
  Top 0.203: R503.2 76.02,98.5 76.52,99 v77.14,99
  Top 0.305: v79.69,95.95 79.75,95.89 U310.4 | R505.1 74.73,99.12 75.26,99.12 R503.2
  Bottom 0.203: v79.69,95.95 79.38,95.95 78.61,96.71 78.61,98.62 78.23,99 v77.14,99
N$1091
  Top 0.305: C2058.1 R505.2
  Top 0.406: R505.2
N$1092
  Top 0.305: U310.1 78.4,97.73 77.59,97.73 77.21,97.34 C2059.1
N$1093
  Top 0.305: C2068.1 90.89,122.5 U315.1
N$1094
  Top 0.508: C2069.1 92.52,122.17 U315.3
N$1095
  Top 0.305: U315.5 C2070.2
N$1096  (via drill 0.2)